# KiCad board nyx.kicad_pcb (continued)
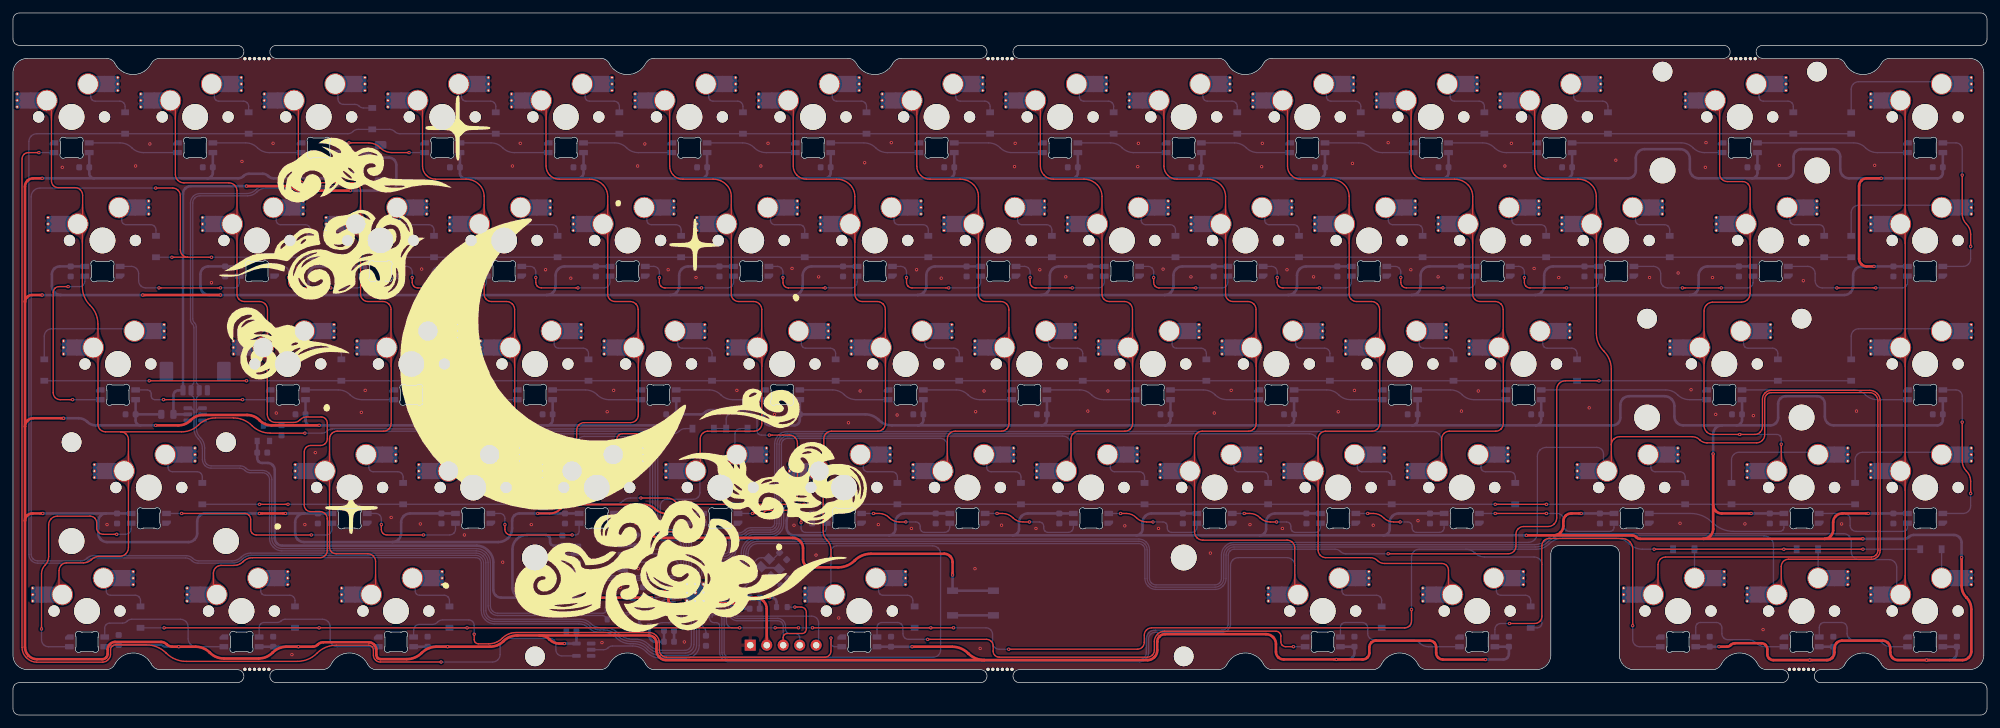
[diagram p0: board, top side]
## Routing (per net, layer and track width the routed paths; a pad name or vN(x,y) marks a point on that pad's centre or on a via; arc(x,y) is an arc through that point) (continued)
  Bottom w0.2: LED65.3 250.77,10.54 arc(250.37,10.62) 250.03,10.85 250.01,10.86 arc(249.78,11.21) 249.7,11.61 v1(249.7,13.77) ; LED64.2 228.45,13.2 arc(228.52,13.54) 228.72,13.84 228.74,13.86 arc(229.03,14.05) 229.37,14.12 v1(230.7,14.12)
Net-(LED65-DOUT): length 17.7
  Bottom w0.2: LED65.2 259.41,13.52 arc(259.47,13.8) 259.63,14.05 259.64,14.05 arc(259.88,14.22) 260.17,14.27 262.6,14.27 arc(262.92,14.21) 263.2,14.02 263.2,14.02 arc(263.39,13.75) 263.45,13.42 263.45,12.55 arc(263.52,12.2) 263.71,11.91 263.74,11.89 arc(264.03,11.69) 264.37,11.62 267.48,11.62 arc(268.19,11.48) 268.79,11.08 arc(269.39,10.68) 270.1,10.54 LED66.3
Net-(LED66-DOUT): length 17.7
  Bottom w0.2: LED67.3 289.5,10.54 arc(288.79,10.68) 288.19,11.08 arc(287.59,11.48) 286.88,11.62 283.67,11.62 arc(283.33,11.69) 283.04,11.89 283.01,11.91 arc(282.82,12.2) 282.75,12.55 282.75,13.42 arc(282.69,13.75) 282.5,14.02 282.5,14.02 arc(282.22,14.21) 281.9,14.27 279.22,14.27 arc(278.93,14.22) 278.69,14.05 278.68,14.05 arc(278.52,13.8) 278.46,13.52 LED66.2

## Copper pours and planes (outline as drawn; the poured copper is in the pictures)
+1V1 on Bottom: 102.53,17.57 103.64,17.57 103.64,17.2 106.6,17.2 106.6,16.6 102.54,16.6
+3V3 on Top: 116,12.47 115.97,12.11 115.88,11.86 115.74,11.66 115.59,11.43 115.41,11.1 116.2,10.77 116.99,11.1 116.81,11.43 116.66,11.66 116.52,11.86 116.43,12.11 116.4,12.47
+3V3 on Bottom: 97.42,12.22 97.42,14.42 99.12,14.42 101.12,16.82 102.43,16.82 102.42,18.12 101.12,18.12 98.13,17.7 98.03,18.4 100.57,18.82 102.13,18.86 102.37,18.94 102.41,19.05 102.41,21.67 102.46,21.73 102.51,21.94 102.68,21.94 102.84,21.71 102.98,21.67 105.79,21.67 105.92,21.7 106.1,21.95 106.29,21.95 106.46,21.7 106.6,21.67 107.98,21.67 107.98,19.08 108.01,18.95 108.25,18.78 108.25,18.59 108.01,18.41 107.98,18.28 107.98,16.12 106.32,16.12 106.32,15.82 106.02,15.82 106.02,16.12 102.72,16.12 102.72,14.72 101.02,13.62 101.02,10.42 99.43,10.42 99.12,12.22
GND on Top, Bottom: 304.3,6.47 -0.5,6.47 -0.5,101.77 304.3,101.77
VBUS on Bottom: 24.54,47.56 24.48,47.4 24.43,47.25 24.38,47.13 24.32,47.01 24.27,46.92 24.74,46.37 25.21,46.92 25.15,47.01 25.1,47.13 25.05,47.25 24.99,47.4 24.94,47.56
/~{USB_BOOT} on Bottom: 144.65,20.17 144.59,20.04 144.53,19.92 144.47,19.82 144.41,19.74 144.35,19.67 144.85,19.17 145.35,19.67 145.29,19.74 145.23,19.82 145.17,19.92 145.11,20.04 145.05,20.17
/~{USB_BOOT} on Bottom: 149.8,18.97 149.9,18.95 150,18.9 150.1,18.84 150.2,18.77 150.3,18.67 151.15,19.17 150.3,19.67 150.2,19.58 150.1,19.5 150,19.44 149.9,19.4 149.8,19.37
/~{USB_BOOT} on Bottom: 146.2,19.37 146.1,19.4 146,19.44 145.9,19.5 145.8,19.58 145.7,19.67 144.85,19.17 145.7,18.67 145.8,18.77 145.9,18.84 146,18.9 146.1,18.95 146.2,18.97
Col0 on Top: 17.9,34.49 17.95,35.18 18.07,35.67 18.25,36.08 18.47,36.52 18.7,37.12 17.13,37.63 15.81,36.65 16.3,36.16 16.81,35.85 17.26,35.57 17.58,35.17 17.7,34.49
Col0 on Top: 10.8,72.61 10.84,73.29 10.96,73.78 11.13,74.19 11.33,74.63 11.56,75.22 9.99,75.73 8.68,74.73 9.18,74.26 9.69,73.96 10.15,73.68 10.47,73.28 10.6,72.61
Col0 on Top: 7,21.8 6.94,21.08 6.78,20.58 6.55,20.16 6.29,19.71 6.04,19.09 7.61,18.58 8.94,19.55 8.47,20.04 8,20.38 7.6,20.69 7.31,21.12 7.2,21.8
Col0 on Top: 10.63,78.83 10.51,78.16 10.18,77.76 9.71,77.5 9.19,77.2 8.69,76.73 9.99,75.73 11.56,76.24 11.34,76.82 11.14,77.26 10.98,77.67 10.87,78.15 10.83,78.83
Col0 on Top: 13.2,53.57 13.24,54.25 13.35,54.73 13.52,55.14 13.72,55.58 13.94,56.17 12.37,56.68 11.06,55.68 11.57,55.2 12.08,54.91 12.54,54.64 12.87,54.24 13,53.57
Col0 on Top: 17.7,40.77 17.58,40.09 17.26,39.69 16.81,39.4 16.3,39.09 15.81,38.61 17.13,37.63 18.7,38.14 18.47,38.73 18.25,39.18 18.07,39.59 17.95,40.08 17.9,40.77
Col0 on Top: 13,59.78 12.87,59.11 12.54,58.72 12.08,58.45 11.57,58.15 11.06,57.68 12.37,56.68 13.94,57.19 13.72,57.77 13.52,58.21 13.35,58.62 13.24,59.11 13.2,59.78
Col0 on Top: 6.03,91.66 6.08,92.34 6.19,92.83 6.36,93.24 6.57,93.68 6.79,94.27 5.22,94.78 3.91,93.78 4.41,93.31 4.93,93.01 5.38,92.73 5.71,92.33 5.83,91.66
Col1 on Top: 34.43,78.83 34.31,78.16 33.98,77.77 33.52,77.5 33,77.2 32.5,76.73 33.8,75.73 35.37,76.24 35.15,76.82 34.95,77.26 34.78,77.67 34.68,78.16 34.63,78.83
Col1 on Top: 34.63,72.62 34.68,73.3 34.78,73.79 34.95,74.19 35.15,74.63 35.37,75.22 33.8,75.73 32.5,74.73 33,74.25 33.52,73.96 33.98,73.69 34.31,73.29 34.43,72.62
Col1 on Top: 39.3,53.52 39.35,54.22 39.48,54.71 39.67,55.12 39.9,55.57 40.13,56.17 38.56,56.68 37.23,55.71 37.72,55.21 38.22,54.9 38.66,54.61 38.98,54.2 39.1,53.52
Col1 on Top: 30.8,21.79 30.74,21.08 30.58,20.58 30.36,20.16 30.1,19.7 29.85,19.09 31.42,18.58 32.75,19.55 32.28,20.04 31.81,20.38 31.4,20.69 31.11,21.11 31,21.79
Col1 on Top: 39.13,59.81 39.01,59.14 38.69,58.73 38.24,58.45 37.73,58.14 37.24,57.66 38.56,56.68 40.13,57.19 39.9,57.78 39.69,58.23 39.5,58.64 39.38,59.13 39.33,59.81
Col1 on Top: 25.13,91.69 25.17,92.36 25.28,92.84 25.43,93.25 25.63,93.69 25.84,94.27 24.27,94.78 22.98,93.77 23.48,93.3 24.01,93.01 24.47,92.74 24.81,92.35 24.93,91.69
Col1 on Bottom: 30.8,21.79 30.74,21.08 30.58,20.58 30.36,20.16 30.1,19.7 29.85,19.09 31.42,18.58 32.75,19.55 32.28,20.04 31.81,20.38 31.4,20.69 31.11,21.11 31,21.79
Col2 on Top: 55.8,21.72 55.68,21.04 55.36,20.64 54.91,20.35 54.4,20.04 53.91,19.56 55.23,18.58 56.8,19.09 56.57,19.68 56.35,20.13 56.17,20.54 56.05,21.03 56,21.72
Col2 on Top: 48.9,34.51 48.94,35.19 49.06,35.68 49.23,36.09 49.43,36.53 49.66,37.12 48.09,37.63 46.78,36.63 47.28,36.16 47.79,35.86 48.25,35.58 48.57,35.18 48.7,34.51
Col2 on Top: 53.68,72.62 53.73,73.3 53.83,73.79 54,74.19 54.2,74.63 54.42,75.22 52.85,75.73 51.55,74.73 52.05,74.25 52.57,73.96 53.03,73.69 53.36,73.29 53.48,72.62
Col2 on Top: 58.4,53.55 58.44,54.23 58.57,54.72 58.74,55.13 58.95,55.58 59.18,56.17 57.61,56.68 56.29,55.69 56.79,55.21 57.3,54.9 57.75,54.62 58.08,54.22 58.2,53.55
Col2 on Top: 53.48,78.83 53.36,78.16 53.03,77.77 52.57,77.5 52.05,77.2 51.55,76.73 52.85,75.73 54.42,76.24 54.2,76.82 54,77.26 53.83,77.67 53.73,78.16 53.68,78.83
Col2 on Top: 58.18,59.81 58.06,59.14 57.74,58.73 57.29,58.45 56.78,58.14 56.29,57.66 57.61,56.68 59.18,57.19 58.95,57.78 58.74,58.23 58.55,58.64 58.43,59.13 58.38,59.81
Col2 on Top: 48.7,40.74 48.57,40.07 48.25,39.67 47.79,39.4 47.28,39.1 46.78,38.62 48.09,37.63 49.66,38.14 49.43,38.73 49.23,39.17 49.06,39.58 48.94,40.06 48.9,40.74
Col2 on Top: 44.1,91.64 44.15,92.33 44.27,92.82 44.45,93.23 44.66,93.67 44.89,94.27 43.32,94.78 42,93.8 42.5,93.31 43,93 43.45,92.72 43.78,92.32 43.9,91.64
Col2 on Bottom: 48.7,40.74 48.57,40.07 48.25,39.67 47.79,39.4 47.28,39.1 46.78,38.62 48.09,37.63 49.66,38.14 49.43,38.73 49.23,39.17 49.06,39.58 48.94,40.06 48.9,40.74
Col3 on Top: 72.73,72.62 72.78,73.3 72.88,73.79 73.05,74.19 73.25,74.63 73.47,75.22 71.9,75.73 70.6,74.73 71.1,74.25 71.62,73.96 72.08,73.69 72.41,73.29 72.53,72.62
Col3 on Top: 72.53,78.83 72.41,78.16 72.08,77.77 71.62,77.5 71.1,77.2 70.6,76.73 71.9,75.73 73.47,76.24 73.25,76.82 73.05,77.26 72.88,77.67 72.78,78.16 72.73,78.83
Col3 on Top: 63.23,91.69 63.27,92.36 63.38,92.84 63.53,93.25 63.73,93.69 63.94,94.27 62.37,94.78 61.08,93.77 61.58,93.3 62.11,93.01 62.57,92.74 62.91,92.35 63.03,91.69
Col3 on Top: 67.75,40.74 67.62,40.07 67.3,39.67 66.84,39.4 66.33,39.1 65.83,38.62 67.14,37.63 68.71,38.14 68.48,38.73 68.28,39.17 68.11,39.58 67.99,40.06 67.95,40.74
Col3 on Top: 77.23,59.81 77.11,59.14 76.79,58.73 76.34,58.45 75.83,58.14 75.34,57.66 76.66,56.68 78.23,57.19 78,57.78 77.79,58.23 77.6,58.64 77.48,59.13 77.43,59.81
Col3 on Top: 77.45,53.55 77.49,54.23 77.62,54.72 77.79,55.13 78,55.58 78.23,56.17 76.66,56.68 75.34,55.69 75.84,55.21 76.35,54.9 76.8,54.62 77.13,54.22 77.25,53.55
Col3 on Bottom: 67.7,40.77 67.58,40.09 67.26,39.69 66.81,39.4 66.3,39.09 65.81,38.61 67.14,37.63 68.71,38.14 68.48,38.73 68.26,39.18 68.07,39.59 67.95,40.08 67.9,40.77
Col4 on Top: 96.28,59.81 96.16,59.14 95.84,58.73 95.39,58.45 94.88,58.14 94.39,57.66 95.71,56.68 97.28,57.19 97.05,57.78 96.84,58.23 96.65,58.64 96.53,59.13 96.48,59.81
Col4 on Top: 82.28,91.69 82.32,92.36 82.43,92.84 82.58,93.25 82.78,93.69 82.99,94.27 81.42,94.78 80.13,93.77 80.63,93.3 81.16,93.01 81.62,92.74 81.96,92.35 82.08,91.69
Col4 on Top: 86.8,40.74 86.67,40.07 86.35,39.67 85.89,39.4 85.38,39.1 84.88,38.62 86.19,37.63 87.76,38.14 87.53,38.73 87.33,39.17 87.16,39.58 87.04,40.06 87,40.74
Col4 on Top: 91.58,78.83 91.46,78.16 91.13,77.77 90.67,77.5 90.15,77.2 89.65,76.73 90.95,75.73 92.52,76.24 92.3,76.82 92.1,77.26 91.93,77.67 91.83,78.16 91.78,78.83
Col4 on Top: 96.5,53.55 96.54,54.23 96.67,54.72 96.84,55.13 97.05,55.58 97.28,56.17 95.71,56.68 94.39,55.69 94.89,55.21 95.4,54.9 95.85,54.62 96.18,54.22 96.3,53.55
Col4 on Top: 91.78,72.62 91.83,73.3 91.93,73.79 92.1,74.19 92.3,74.63 92.52,75.22 90.95,75.73 89.65,74.73 90.15,74.25 90.67,73.96 91.13,73.69 91.46,73.29 91.58,72.62
Col4 on Bottom: 86.8,40.74 86.67,40.07 86.35,39.67 85.89,39.4 85.38,39.1 84.88,38.62 86.19,37.63 87.76,38.14 87.53,38.73 87.33,39.17 87.16,39.58 87.04,40.06 87,40.74
Col5 on Top: 110.63,78.83 110.51,78.16 110.18,77.77 109.72,77.5 109.2,77.2 108.7,76.73 110,75.73 111.57,76.24 111.35,76.82 111.15,77.26 110.98,77.67 110.88,78.16 110.83,78.83
Col5 on Top: 105.85,40.74 105.72,40.07 105.4,39.67 104.94,39.4 104.43,39.1 103.93,38.62 105.24,37.63 106.81,38.14 106.58,38.73 106.38,39.17 106.21,39.58 106.09,40.06 106.05,40.74
Col5 on Top: 110.83,72.62 110.88,73.3 110.98,73.79 111.15,74.19 111.35,74.63 111.57,75.22 110,75.73 108.7,74.73 109.2,74.25 109.72,73.96 110.18,73.69 110.51,73.29 110.63,72.62
Col5 on Top: 101.33,91.69 101.37,92.36 101.48,92.84 101.63,93.25 101.83,93.69 102.04,94.27 100.47,94.78 99.18,93.77 99.68,93.3 100.21,93.01 100.67,92.74 101.01,92.35 101.13,91.69
Col5 on Top: 115.33,59.81 115.21,59.14 114.89,58.73 114.44,58.45 113.93,58.14 113.44,57.66 114.76,56.68 116.33,57.19 116.1,57.78 115.89,58.23 115.7,58.64 115.58,59.13 115.53,59.81
Col5 on Top: 115.55,53.55 115.59,54.23 115.72,54.72 115.89,55.13 116.1,55.58 116.33,56.17 114.76,56.68 113.44,55.69 113.94,55.21 114.45,54.9 114.9,54.62 115.23,54.22 115.35,53.55
Col5 on Bottom: 106,34.49 106.05,35.17 106.17,35.67 106.36,36.08 106.58,36.52 106.81,37.12 105.24,37.63 103.91,36.65 104.4,36.16 104.91,35.85 105.36,35.57 105.68,35.16 105.8,34.49
Col6 on Top: 129.68,78.83 129.56,78.16 129.23,77.77 128.77,77.5 128.25,77.2 127.75,76.73 129.05,75.73 130.62,76.24 130.4,76.82 130.2,77.26 130.03,77.67 129.93,78.16 129.88,78.83
Col6 on Top: 124.9,40.74 124.77,40.07 124.45,39.67 123.99,39.4 123.48,39.1 122.98,38.62 124.29,37.63 125.86,38.14 125.63,38.73 125.43,39.17 125.26,39.58 125.14,40.06 125.1,40.74
Col6 on Top: 120.38,91.69 120.42,92.36 120.53,92.84 120.68,93.25 120.88,93.69 121.09,94.27 119.52,94.78 118.23,93.77 118.73,93.3 119.26,93.01 119.72,92.74 120.06,92.35 120.18,91.69
Col6 on Top: 134.38,59.81 134.26,59.14 133.94,58.73 133.49,58.45 132.98,58.14 132.49,57.66 133.81,56.68 135.38,57.19 135.15,57.78 134.94,58.23 134.75,58.64 134.63,59.13 134.58,59.81
Col6 on Top: 125,34.46 125.05,35.16 125.19,35.65 125.39,36.07 125.62,36.51 125.86,37.12 124.29,37.63 122.95,36.66 123.44,36.16 123.93,35.84 124.37,35.55 124.68,35.14 124.8,34.46
Col6 on Top: 129.88,72.62 129.93,73.3 130.03,73.79 130.2,74.19 130.4,74.63 130.62,75.22 129.05,75.73 127.75,74.73 128.25,74.25 128.77,73.96 129.23,73.69 129.56,73.29 129.68,72.62
Col6 on Top: 134.6,53.55 134.64,54.23 134.77,54.72 134.94,55.13 135.15,55.58 135.38,56.17 133.81,56.68 132.49,55.69 132.99,55.21 133.5,54.9 133.95,54.62 134.28,54.22 134.4,53.55
Col6 on Bottom: 126,21.77 125.94,21.06 125.8,20.56 125.59,20.15 125.34,19.7 125.1,19.09 126.67,18.58 128,19.55 127.52,20.04 127.04,20.37 126.62,20.67 126.31,21.09 126.2,21.77
Col7 on Top: 148.93,72.62 148.98,73.3 149.08,73.79 149.25,74.19 149.45,74.63 149.67,75.22 148.1,75.73 146.8,74.73 147.3,74.25 147.82,73.96 148.28,73.69 148.61,73.29 148.73,72.62
Col7 on Top: 148.73,78.83 148.61,78.16 148.28,77.77 147.82,77.5 147.3,77.2 146.8,76.73 148.1,75.73 149.67,76.24 149.45,76.82 149.25,77.26 149.08,77.67 148.98,78.16 148.93,78.83
Col7 on Top: 153.65,53.55 153.69,54.23 153.82,54.72 153.99,55.13 154.2,55.58 154.43,56.17 152.86,56.68 151.54,55.69 152.04,55.21 152.55,54.9 153,54.62 153.33,54.22 153.45,53.55
Col7 on Top: 143.95,40.74 143.82,40.07 143.5,39.67 143.04,39.4 142.53,39.1 142.03,38.62 143.34,37.63 144.91,38.14 144.68,38.73 144.48,39.17 144.31,39.58 144.19,40.06 144.15,40.74
Col7 on Top: 139.43,91.69 139.47,92.36 139.58,92.84 139.73,93.25 139.93,93.69 140.14,94.27 138.57,94.78 137.28,93.77 137.78,93.3 138.31,93.01 138.77,92.74 139.11,92.35 139.23,91.69
Col7 on Top: 153.43,59.81 153.31,59.14 152.99,58.73 152.54,58.45 152.03,58.14 151.54,57.66 152.86,56.68 154.43,57.19 154.2,57.78 153.99,58.23 153.8,58.64 153.68,59.13 153.63,59.81
Col7 on Bottom: 143.9,40.77 143.78,40.09 143.46,39.69 143.01,39.4 142.5,39.09 142.01,38.61 143.34,37.63 144.91,38.14 144.68,38.73 144.46,39.18 144.27,39.59 144.15,40.08 144.1,40.77
Col8 on Top: 163,40.74 162.87,40.07 162.55,39.67 162.09,39.4 161.58,39.1 161.08,38.62 162.39,37.63 163.96,38.14 163.73,38.73 163.53,39.17 163.36,39.58 163.24,40.06 163.2,40.74
Col8 on Top: 172.48,59.81 172.36,59.14 172.04,58.73 171.59,58.45 171.08,58.14 170.59,57.66 171.91,56.68 173.48,57.19 173.25,57.78 173.04,58.23 172.85,58.64 172.73,59.13 172.68,59.81
Col8 on Top: 167.98,72.62 168.03,73.3 168.13,73.79 168.3,74.19 168.5,74.63 168.72,75.22 167.15,75.73 165.85,74.73 166.35,74.25 166.87,73.96 167.33,73.69 167.66,73.29 167.78,72.62
Col8 on Top: 172.7,53.55 172.74,54.23 172.87,54.72 173.04,55.13 173.25,55.58 173.48,56.17 171.91,56.68 170.59,55.69 171.09,55.21 171.6,54.9 172.05,54.62 172.38,54.22 172.5,53.55
Col8 on Top: 158.48,91.69 158.52,92.36 158.63,92.84 158.78,93.25 158.98,93.69 159.19,94.27 157.62,94.78 156.33,93.77 156.83,93.3 157.36,93.01 157.82,92.74 158.16,92.35 158.28,91.69
Col8 on Top: 167.78,78.83 167.66,78.16 167.33,77.77 166.87,77.5 166.35,77.2 165.85,76.73 167.15,75.73 168.72,76.24 168.5,76.82 168.3,77.26 168.13,77.67 168.03,78.16 167.98,78.83
Col8 on Bottom: 163,40.74 162.87,40.07 162.55,39.67 162.09,39.4 161.58,39.1 161.08,38.62 162.39,37.63 163.96,38.14 163.73,38.73 163.53,39.17 163.36,39.58 163.24,40.06 163.2,40.74
Col9 on Top: 187.03,72.62 187.08,73.3 187.18,73.79 187.35,74.19 187.55,74.63 187.77,75.22 186.2,75.73 184.9,74.73 185.4,74.25 185.92,73.96 186.38,73.69 186.71,73.29 186.83,72.62
Col9 on Top: 197.5,21.8 197.44,21.08 197.28,20.58 197.05,20.16 196.79,19.71 196.54,19.09 198.11,18.58 199.44,19.55 198.97,20.04 198.5,20.38 198.1,20.69 197.81,21.12 197.7,21.8
Col9 on Top: 186.83,78.83 186.71,78.16 186.38,77.77 185.92,77.5 185.4,77.2 184.9,76.73 186.2,75.73 187.77,76.24 187.55,76.82 187.35,77.26 187.18,77.67 187.08,78.16 187.03,78.83
Col9 on Top: 191.53,59.81 191.41,59.14 191.09,58.73 190.64,58.45 190.13,58.14 189.64,57.66 190.96,56.68 192.53,57.19 192.3,57.78 192.09,58.23 191.9,58.64 191.78,59.13 191.73,59.81
Col9 on Top: 182.05,40.74 181.92,40.07 181.6,39.67 181.14,39.4 180.63,39.1 180.13,38.62 181.44,37.63 183.01,38.14 182.78,38.73 182.58,39.17 182.41,39.58 182.29,40.06 182.25,40.74
Col9 on Top: 182.25,34.51 182.29,35.19 182.41,35.68 182.58,36.09 182.78,36.53 183.01,37.12 181.44,37.63 180.13,36.63 180.63,36.16 181.14,35.86 181.6,35.58 181.92,35.18 182.05,34.51
Col9 on Top: 177.53,91.69 177.57,92.36 177.68,92.84 177.83,93.25 178.03,93.69 178.24,94.27 176.67,94.78 175.38,93.77 175.88,93.3 176.41,93.01 176.87,92.74 177.21,92.35 177.33,91.69
Col9 on Top: 191.75,53.55 191.79,54.23 191.92,54.72 192.09,55.13 192.3,55.58 192.53,56.17 190.96,56.68 189.64,55.69 190.14,55.21 190.65,54.9 191.1,54.62 191.43,54.22 191.55,53.55
Col9 on Bottom: 197.5,21.8 197.44,21.08 197.28,20.58 197.05,20.16 196.79,19.71 196.54,19.09 198.11,18.58 199.44,19.55 198.97,20.04 198.5,20.38 198.1,20.69 197.81,21.12 197.7,21.8
Col10 on Top: 196.58,91.69 196.62,92.36 196.73,92.84 196.88,93.25 197.08,93.69 197.29,94.27 195.72,94.78 194.43,93.77 194.93,93.3 195.46,93.01 195.92,92.74 196.26,92.35 196.38,91.69
Col10 on Top: 210.58,59.81 210.46,59.14 210.14,58.73 209.69,58.45 209.18,58.14 208.69,57.66 210.01,56.68 211.58,57.19 211.35,57.78 211.14,58.23 210.95,58.64 210.83,59.13 210.78,59.81
Col10 on Top: 205.88,78.83 205.76,78.16 205.43,77.77 204.97,77.5 204.45,77.2 203.95,76.73 205.25,75.73 206.82,76.24 206.6,76.82 206.4,77.26 206.23,77.67 206.13,78.16 206.08,78.83
Col10 on Top: 201.1,40.74 200.97,40.07 200.65,39.67 200.19,39.4 199.68,39.1 199.18,38.62 200.49,37.63 202.06,38.14 201.83,38.73 201.63,39.17 201.46,39.58 201.34,40.06 201.3,40.74
Col10 on Top: 221.2,21.74 221.15,21.05 221.01,20.55 220.82,20.14 220.59,19.69 220.35,19.09 221.92,18.58 223.25,19.55 222.77,20.04 222.27,20.36 221.83,20.65 221.52,21.06 221.4,21.74
Col10 on Top: 210.8,53.55 210.84,54.23 210.97,54.72 211.14,55.13 211.35,55.58 211.58,56.17 210.01,56.68 208.69,55.69 209.19,55.21 209.7,54.9 210.15,54.62 210.48,54.22 210.6,53.55
Col10 on Top: 206.08,72.62 206.13,73.3 206.23,73.79 206.4,74.19 206.6,74.63 206.82,75.22 205.25,75.73 203.95,74.73 204.45,74.25 204.97,73.96 205.43,73.69 205.76,73.29 205.88,72.62
Col10 on Top: 201.3,34.51 201.34,35.19 201.46,35.68 201.63,36.09 201.83,36.53 202.06,37.12 200.49,37.63 199.18,36.63 199.68,36.16 200.19,35.86 200.65,35.58 200.97,35.18 201.1,34.51
Col10 on Bottom: 201.1,40.74 200.97,40.07 200.65,39.67 200.19,39.4 199.68,39.1 199.18,38.62 200.49,37.63 202.06,38.14 201.83,38.73 201.63,39.17 201.46,39.58 201.34,40.06 201.3,40.74
Col11 on Top: 220.15,40.74 220.02,40.07 219.7,39.67 219.24,39.4 218.73,39.1 218.23,38.62 219.54,37.63 221.11,38.14 220.88,38.73 220.68,39.17 220.51,39.58 220.39,40.06 220.35,40.74
Col11 on Top: 225.13,72.62 225.18,73.3 225.28,73.79 225.45,74.19 225.65,74.63 225.87,75.22 224.3,75.73 223,74.73 223.5,74.25 224.02,73.96 224.48,73.69 224.81,73.29 224.93,72.62
Col11 on Top: 229.85,53.55 229.89,54.23 230.02,54.72 230.19,55.13 230.4,55.58 230.63,56.17 229.06,56.68 227.74,55.69 228.24,55.21 228.75,54.9 229.2,54.62 229.53,54.22 229.65,53.55
Col11 on Top: 215.63,91.69 215.67,92.36 215.78,92.84 215.93,93.25 216.13,93.69 216.34,94.27 214.77,94.78 213.48,93.77 213.98,93.3 214.51,93.01 214.97,92.74 215.31,92.35 215.43,91.69
Col11 on Top: 229.63,59.81 229.51,59.14 229.19,58.73 228.74,58.45 228.23,58.14 227.74,57.66 229.06,56.68 230.63,57.19 230.4,57.78 230.19,58.23 230,58.64 229.88,59.13 229.83,59.81
Col11 on Top: 224.93,78.83 224.81,78.16 224.48,77.77 224.02,77.5 223.5,77.2 223,76.73 224.3,75.73 225.87,76.24 225.65,76.82 225.45,77.26 225.28,77.67 225.18,78.16 225.13,78.83
Col11 on Bottom: 220.1,40.77 219.98,40.09 219.66,39.69 219.21,39.4 218.7,39.09 218.21,38.61 219.54,37.63 221.11,38.14 220.88,38.73 220.66,39.18 220.47,39.59 220.35,40.08 220.3,40.77
Col12 on Top: 253.5,21.69 253.37,21.02 253.04,20.62 252.59,20.35 252.07,20.05 251.57,19.57 252.87,18.58 254.44,19.09 254.22,19.67 254.02,20.11 253.85,20.52 253.74,21.01 253.7,21.69
Col12 on Top: 244.2,72.63 244.24,73.3 244.35,73.79 244.5,74.2 244.7,74.63 244.92,75.22 243.35,75.73 242.05,74.72 242.55,74.25 243.08,73.96 243.54,73.69 243.87,73.3 244,72.63
Col12 on Top: 234.68,91.69 234.72,92.36 234.83,92.84 234.98,93.25 235.18,93.69 235.39,94.27 233.82,94.78 232.53,93.77 233.03,93.3 233.56,93.01 234.02,92.74 234.36,92.35 234.48,91.69
Col12 on Top: 243.98,78.83 243.86,78.16 243.53,77.77 243.07,77.5 242.55,77.2 242.05,76.73 243.35,75.73 244.92,76.24 244.7,76.82 244.5,77.26 244.33,77.67 244.23,78.16 244.18,78.83
Col12 on Top: 246.3,40.77 246.18,40.09 245.86,39.69 245.41,39.4 244.9,39.09 244.41,38.61 245.73,37.63 247.3,38.14 247.07,38.73 246.85,39.18 246.67,39.59 246.55,40.08 246.5,40.77
Col12 on Bottom: 245.1,40.26 245.03,39.69 244.86,39.3 244.63,38.98 244.38,38.63 244.16,38.14 245.73,37.63 246.7,38.96 246.29,39.2 245.91,39.36 245.59,39.54 245.38,39.81 245.3,40.26
Col13 on Top: 272.5,40.76 272.38,40.09 272.05,39.68 271.6,39.4 271.1,39.09 270.6,38.61 271.92,37.63 273.49,38.14 273.26,38.73 273.05,39.18 272.87,39.59 272.75,40.08 272.7,40.76
Col13 on Top: 272.5,21.71 272.38,21.04 272.05,20.63 271.6,20.35 271.1,20.04 270.6,19.56 271.92,18.58 273.49,19.09 273.26,19.68 273.05,20.13 272.87,20.54 272.75,21.03 272.7,21.71
Col13 on Top: 263.2,91.66 263.24,92.34 263.36,92.83 263.53,93.23 263.74,93.68 263.97,94.27 262.4,94.78 261.08,93.79 261.58,93.31 262.09,93 262.55,92.73 262.88,92.33 263,91.66
Col13 on Top: 267.9,72.57 267.95,73.27 268.08,73.76 268.27,74.17 268.5,74.62 268.73,75.22 267.16,75.73 265.83,74.76 266.32,74.26 266.82,73.95 267.26,73.66 267.58,73.25 267.7,72.57
Col13 on Top: 267.7,78.88 267.58,78.2 267.26,77.79 266.82,77.51 266.32,77.19 265.83,76.7 267.16,75.73 268.73,76.24 268.5,76.84 268.27,77.28 268.08,77.7 267.95,78.19 267.9,78.88
Col13 on Top: 260.8,53.55 260.85,54.23 260.97,54.72 261.15,55.13 261.36,55.57 261.59,56.17 260.02,56.68 258.7,55.69 259.19,55.21 259.7,54.9 260.15,54.62 260.48,54.22 260.6,53.55
Col13 on Top: 260.6,59.81 260.48,59.13 260.15,58.73 259.7,58.45 259.19,58.15 258.7,57.66 260.02,56.68 261.59,57.19 261.36,57.78 261.15,58.22 260.97,58.63 260.85,59.12 260.8,59.81
Col13 on Bottom: 271.3,21.79 271.24,21.08 271.08,20.57 270.86,20.16 270.61,19.7 270.36,19.09 271.92,18.58 273.26,19.55 272.79,20.04 272.31,20.38 271.9,20.68 271.61,21.11 271.5,21.79
Col14 on Top: 291.6,21.69 291.47,21.02 291.14,20.62 290.69,20.35 290.17,20.05 289.67,19.57 290.97,18.58 292.54,19.09 292.32,19.67 292.12,20.11 291.95,20.52 291.84,21.01 291.8,21.69
Col14 on Top: 291.8,53.57 291.84,54.25 291.95,54.73 292.12,55.14 292.32,55.58 292.54,56.17 290.97,56.68 289.67,55.68 290.17,55.2 290.69,54.91 291.14,54.63 291.47,54.24 291.6,53.57
Col14 on Top: 291.6,78.84 291.47,78.17 291.14,77.77 290.69,77.5 290.17,77.2 289.67,76.72 290.97,75.73 292.54,76.24 292.32,76.82 292.12,77.26 291.95,77.67 291.84,78.16 291.8,78.84
Col14 on Top: 291.8,91.67 291.84,92.35 291.95,92.83 292.12,93.24 292.32,93.68 292.54,94.27 290.97,94.78 289.67,93.78 290.17,93.3 290.69,93.01 291.14,92.73 291.47,92.34 291.6,91.67
Col14 on Top: 291.6,59.79 291.47,59.12 291.14,58.72 290.69,58.45 290.17,58.15 289.67,57.67 290.97,56.68 292.54,57.19 292.32,57.77 292.12,58.21 291.95,58.62 291.84,59.11 291.8,59.79
Col14 on Top: 291.8,72.62 291.84,73.3 291.95,73.78 292.12,74.19 292.32,74.63 292.54,75.22 290.97,75.73 289.67,74.73 290.17,74.25 290.69,73.96 291.14,73.68 291.47,73.29 291.6,72.62
Col14 on Top: 291.6,40.74 291.47,40.07 291.14,39.67 290.69,39.4 290.17,39.1 289.67,38.62 290.97,37.63 292.54,38.14 292.32,38.72 292.12,39.16 291.95,39.57 291.84,40.06 291.8,40.74
Col14 on Top: 291.8,34.52 291.84,35.2 291.95,35.68 292.12,36.09 292.32,36.53 292.54,37.12 290.97,37.63 289.67,36.63 290.17,36.15 290.69,35.86 291.14,35.58 291.47,35.19 291.6,34.52
Col14 on Bottom: 290.3,21.76 290.24,21.06 290.1,20.56 289.89,20.15 289.65,19.7 289.41,19.09 290.97,18.58 292.31,19.55 291.83,20.04 291.34,20.37 290.92,20.67 290.62,21.08 290.5,21.76
SWCLK on Bottom: 124.1,12.37 124.05,12.06 123.93,11.87 123.73,11.74 123.49,11.59 123.22,11.37 123.82,10.77 124.61,11.1 124.48,11.4 124.39,11.62 124.34,11.81 124.31,12.05 124.3,12.37
SWDIO on Bottom: 121.18,11.94 121.15,11.76 121.08,11.66 120.97,11.58 120.83,11.5 120.68,11.37 121.28,10.77 121.88,11.37 121.73,11.5 121.59,11.58 121.48,11.66 121.41,11.76 121.38,11.94
XTAL1 on Bottom: 115.36,24.16 115.54,24.09 115.73,23.99 115.91,23.87 116.09,23.71 116.27,23.52 116.56,24.08 116.22,24.74 116.05,24.61 115.88,24.5 115.71,24.43 115.53,24.38 115.36,24.36
~{NRST} on Top: 118.64,11.96 118.61,11.78 118.54,11.67 118.43,11.59 118.3,11.5 118.14,11.37 118.74,10.77 119.34,11.37 119.18,11.5 119.05,11.59 118.94,11.67 118.87,11.78 118.84,11.96
~{NRST} on Bottom: 118.64,12.47 118.6,12.1 118.48,11.86 118.32,11.67 118.14,11.44 117.95,11.1 118.74,10.77 119.53,11.1 119.34,11.44 119.16,11.67 119,11.86 118.88,12.1 118.84,12.47
Net-(D1-A) on Bottom: 12.1,95.34 12.15,95.65 12.29,95.84 12.48,95.98 12.69,96.12 12.91,96.35 11.57,97.32 11.06,95.75 11.3,95.7 11.53,95.68 11.72,95.65 11.85,95.55 11.9,95.34
Net-(D2-A) on Bottom: 31.15,95.34 31.2,95.65 31.34,95.84 31.53,95.98 31.74,96.12 31.96,96.35 30.62,97.32 30.11,95.75 30.35,95.7 30.58,95.68 30.77,95.65 30.9,95.55 30.95,95.34
Net-(D3-A) on Bottom: 50.2,95.02 50.24,95.41 50.37,95.66 50.55,95.86 50.77,96.07 51.01,96.35 49.67,97.32 48.7,95.98 49.07,95.8 49.42,95.69 49.71,95.59 49.92,95.39 50,95.02
Net-(D4-A) on Bottom: 69.25,95.34 69.3,95.65 69.44,95.84 69.63,95.98 69.84,96.12 70.06,96.35 68.72,97.32 68.21,95.75 68.45,95.7 68.68,95.68 68.87,95.65 69,95.55 69.05,95.34
Net-(D5-A) on Bottom: 88.3,95.34 88.35,95.65 88.49,95.84 88.68,95.98 88.89,96.12 89.11,96.35 87.77,97.32 87.26,95.75 87.5,95.7 87.73,95.68 87.92,95.65 88.05,95.55 88.1,95.34
Net-(D6-A) on Bottom: 107.35,95.34 107.4,95.65 107.54,95.84 107.73,95.98 107.94,96.12 108.16,96.35 106.82,97.32 106.31,95.75 106.55,95.7 106.78,95.68 106.97,95.65 107.1,95.55 107.15,95.34
Net-(D7-A) on Bottom: 126.4,95.34 126.45,95.65 126.59,95.84 126.78,95.98 126.99,96.12 127.21,96.35 125.87,97.32 125.36,95.75 125.6,95.7 125.83,95.68 126.02,95.65 126.15,95.55 126.2,95.34
Net-(D8-A) on Bottom: 145.45,95.34 145.5,95.65 145.64,95.84 145.83,95.98 146.04,96.12 146.26,96.35 144.92,97.32 144.41,95.75 144.65,95.7 144.88,95.68 145.07,95.65 145.2,95.55 145.25,95.34
Net-(D9-A) on Bottom: 164.5,95.34 164.55,95.65 164.69,95.84 164.88,95.98 165.09,96.12 165.31,96.35 163.97,97.32 163.46,95.75 163.7,95.7 163.93,95.68 164.12,95.65 164.25,95.55 164.3,95.34
Net-(D10-A) on Bottom: 183.55,95.34 183.6,95.65 183.74,95.84 183.93,95.98 184.14,96.12 184.36,96.35 183.02,97.32 182.51,95.75 182.75,95.7 182.98,95.68 183.17,95.65 183.3,95.55 183.35,95.34
Net-(D11-A) on Bottom: 202.6,95.34 202.65,95.65 202.79,95.84 202.98,95.98 203.19,96.12 203.41,96.35 202.07,97.32 201.56,95.75 201.8,95.7 202.03,95.68 202.22,95.65 202.35,95.55 202.4,95.34
Net-(D12-A) on Bottom: 221.65,95.34 221.7,95.65 221.84,95.84 222.03,95.98 222.24,96.12 222.46,96.35 221.12,97.32 220.61,95.75 220.85,95.7 221.08,95.68 221.27,95.65 221.4,95.55 221.45,95.34
Net-(D13-A) on Bottom: 240.7,95.34 240.75,95.65 240.89,95.84 241.08,95.98 241.29,96.12 241.51,96.35 240.17,97.32 239.66,95.75 239.9,95.7 240.13,95.68 240.32,95.65 240.45,95.55 240.5,95.34
Net-(D14-A) on Bottom: 269.28,95.34 269.33,95.65 269.46,95.84 269.65,95.98 269.87,96.12 270.08,96.35 268.75,97.32 268.24,95.75 268.48,95.7 268.71,95.68 268.9,95.65 269.03,95.55 269.08,95.34
